# Altium PCB SI944D.PcbDoc (part 1 of 5) (continued)
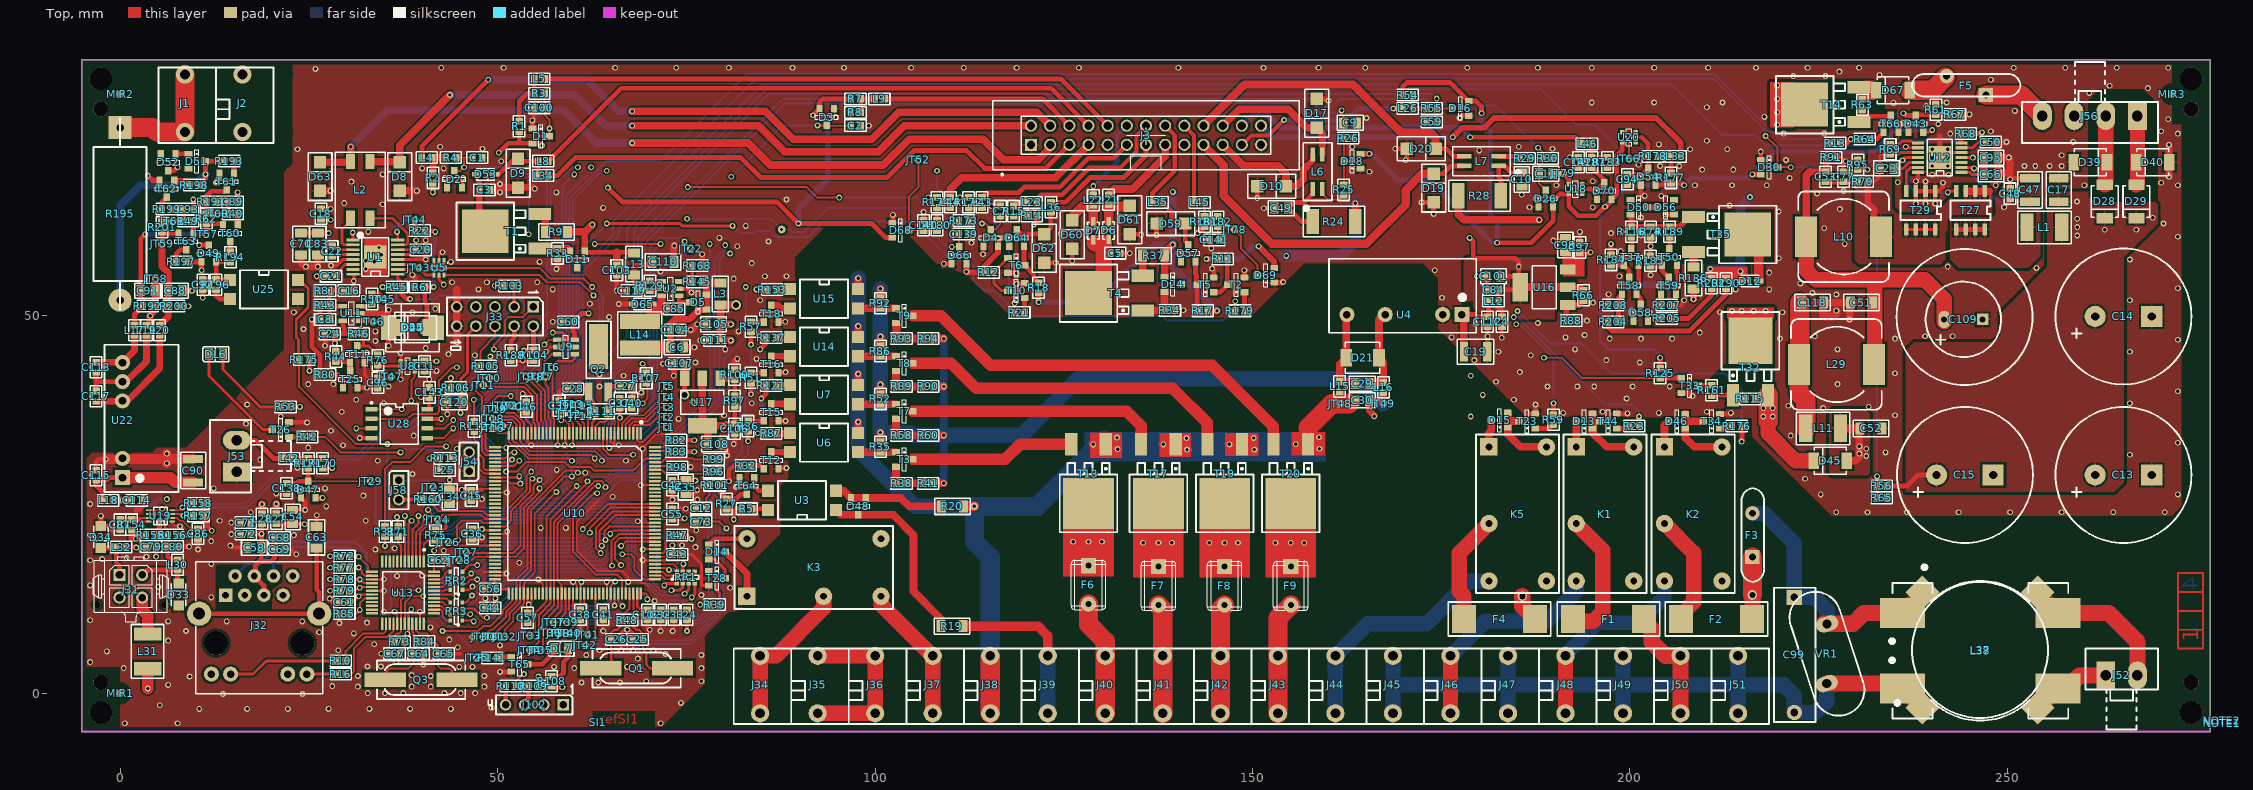
[diagram p0: Top view]
## Components (designator, comment, footprint, x,y, rotation, side; value= is the part's Value field where it differs from the comment) (continued)
C80 "C_0603_NPO_5%_18P-50V" 0603_ReflowSoldering_CAP 6.949,19.431 r0 top
C83 "C_1206_X5R_20%_22U-25V" 1206_ReflowSoldering_CAP 26.194,59.531 r90 top
C84 "C_0603_X7R_10%_100N-50V" 0603_ReflowSoldering_CAP 181.927,53.467 r180 top
C85 "C_0603_X7R_10%_10N-50V" 0603_ReflowSoldering_CAP 73.406,50.927 r0 top
C86 "C_0603_X7R_10%_100N-50V" 0603_ReflowSoldering_CAP 10.319,21.114 r270 top
C87 "C_0603_X7R_10%_100N-50V" 0603_ReflowSoldering_CAP 0,22.352 r270 top
C88 "C_0805_X5R_10%_1U-25V" 0805_ReflowSoldering_CAP 7.302,53.34 r0 top
C89 "C_0603_X7R_10%_4.7N-50V" 0603_ReflowSoldering_CAP 14.922,65.087 r180 top
C90 "C_1210_X5R_10%_10U-35V" 1210_ReflowSoldering_CAP 9.684,29.49 r270 top
C91 "C_0805_X5R_10%_1U-25V" 0805_ReflowSoldering_CAP 3.651,53.34 r180 top
C92 "C_0603_NC" 0603_ReflowSoldering_CAP 10.954,54.134 r90 top
C93 "C_0603_X7R_10%_4.7N-50V" 0603_ReflowSoldering_CAP 9.049,64.135 r0 top
C94 "C_0603_X7R_10%_10N-50V" 0603_ReflowSoldering_CAP 199.644,68.072 r90 top
C95 "C_0805_X5R_10%_1U-25V" 0805_ReflowSoldering_CAP 247.809,70.961 r180 top
C96 "C_0603_NPO_5%_1N-50V" 0603_ReflowSoldering_CAP 34.131,41.116 r90 top
C97 "C_0603_X7R_10%_100N-50V" 0603_ReflowSoldering_CAP 193.357,59.055 r90 top
C98 "C_0805_X5R_10%_1U-25V" 0805_ReflowSoldering_CAP 191.452,59.372 r270 top
C99 "C_X2_GEN_100NF-275Vac_(4KVmax)" CAP_S_5X17.5_E15MM 221.774,5.08 r270 top
C100 "C_0603_X7R_10%_100N-50V" 0603_ReflowSoldering_CAP 55.531,77.565 r180 top
C101 "C_0805_X5R_10%_10U-16V" 0805_ReflowSoldering_CAP 181.927,55.245 r0 top
C102 "C_0603_X7R_10%_10N-50V" 0603_ReflowSoldering_CAP 69.85,10.414 r90 top
C103 "C_0603_X7R_10%_100N-50V" 0603_ReflowSoldering_CAP 65.786,56.043 r270 top
C104 "C_0603_X7R_10%_100N-50V" 0603_ReflowSoldering_CAP 73.533,48.133 r0 top
C105 "C_0805_X5R_10%_10U-16V" 0805_ReflowSoldering_CAP 78.613,48.895 r0 top
C106 "C_0603_X7R_10%_100N-50V" 0603_ReflowSoldering_CAP 81.407,35.052 r270 top
C107 "C_0603_X7R_10%_100N-50V" 0603_ReflowSoldering_CAP 74.041,43.688 r180 top
C108 "C_0805_X5R_10%_1U-25V" 0805_ReflowSoldering_CAP 78.74,33.02 r180 top
C109 "C_ELE_GEN_20%_1000U-25V" CAP_ELE_10X31.5_E5.08MM 244.157,49.53 r180 top locked
C110 "C_1206_X5R_20%_22U-25V" 1206_ReflowSoldering_CAP 71.914,57.15 r180 top
C111 "C_0603_X7R_10%_100N-50V" 0603_ReflowSoldering_CAP 78.74,46.736 r180 top
C112 "C_0603_X7R_10%_100N-50V" 0603_ReflowSoldering_CAP 181.134,49.212 r270 top
C113 "C_0603_X7R_10%_100N-50V" 0603_ReflowSoldering_CAP -3.175,43.18 r270 top
C114 "C_0603_X7R_10%_100N-50V" 0603_ReflowSoldering_CAP 2.222,25.559 r0 top
C115 "C_0603_X7R_10%_100N-50V" 0603_ReflowSoldering_CAP -3.175,28.892 r90 top
C117 "C_0603_X7R_10%_100N-50V" 0603_ReflowSoldering_CAP -3.175,39.37 r270 top
C118 "C_1206_X5R_20%_22U-25V" 1206_ReflowSoldering_CAP 224.155,51.752 r180 top
C119 "C_0603_X7R_10%_100N-50V" 0603_ReflowSoldering_CAP 67.762,53.34 r180 top
C120 "C_0805_X5R_10%_1U-25V" 0805_ReflowSoldering_CAP 44.291,38.576 r0 top
C138 "C_0603_X7R_10%_100N-50V" 0603_ReflowSoldering_CAP 22.066,27.146 r270 top
C139 "C_0603_X7R_10%_100N-50V" 0603_ReflowSoldering_CAP 111.76,60.833 r0 top
C140 "C_0603_X7R_10%_100N-50V" 0603_ReflowSoldering_CAP 106.426,61.976 r90 top
C141 "C_0603_X7R_10%_100N-50V" 0603_ReflowSoldering_CAP 144.907,60.071 r180 top
C142 "C_0603_X7R_10%_10N-50V" 0603_ReflowSoldering_CAP 193.167,70.326 r270 top
C143 "C_0603_X7R_10%_100N-50V" 0603_ReflowSoldering_CAP 40.957,39.846 r90 top
D1 "BAT54S" SOT23_3L_ReflowSoldering 55.721,73.819 r180 top
D2 "BAT54S" SOT23_3L_ReflowSoldering 44.291,68.104 r270 top
D3 "BAT54S" SOT23_3L_ReflowSoldering 93.599,76.327 r90 top
D4 "BAT54S" SOT23_3L_ReflowSoldering 115.316,60.325 r270 top
D5 "BAT54C" SOT23_3L_ReflowSoldering 76.581,51.816 r0 top
D6 "PMEG2020AEA" SOD323_ReflowSoldering 130.937,61.305 r270 top
D7 "PMEG2020AEA" SOD323_ReflowSoldering 128.905,61.27 r270 top
D8 "SMAJ16A" DO214AC-SMA-P_ReflowSoldering 37.02,68.453 r270 top
D9 "SMAJ16A" DO214AC-SMA-P_ReflowSoldering 52.705,68.897 r270 top
D10 "SMAJ16A" DO214AC-SMA-P_ReflowSoldering 152.527,67.183 r180 top
D11 "MMBD1203" SOT23_3L_ReflowSoldering 60.579,57.468 r90 top
D12 "PMEG2020AEA" SOD323_ReflowSoldering 215.9,54.61 r0 top
D13 "BAT54C" SOT23_3L_ReflowSoldering 193.929,36.068 r0 top
D14 "BAT54C" SOT23_3L_ReflowSoldering 79.057,18.732 r180 top
D15 "BAT54C" SOT23_3L_ReflowSoldering 182.721,36.195 r0 top
D16 "BAT54S" SOT23_3L_ReflowSoldering 177.546,77.47 r0 top
D17 "SMAJ16A" DO214AC-SMA-P_ReflowSoldering 158.496,76.835 r90 top
D18 "BAT54S" SOT23_3L_ReflowSoldering 163.195,70.485 r0 top
D19 "SMAJ16A" DO214AC-SMA-P_ReflowSoldering 173.99,66.929 r270 top
D20 "SMAJ16A" DO214AC-SMA-P_ReflowSoldering 172.339,72.136 r180 top
D21 "SMBJ16CA" DO214AA-SMB-NP_ReflowSoldering 164.592,44.45 r180 top
D24 "MMBD1203" SOT23_3L_ReflowSoldering 139.446,54.158 r180 top
D26 "BAT54S" SOT23_3L_ReflowSoldering 188.849,65.532 r270 top
D27 "MBRA140T3G" DO214AC-SMA-P_ReflowSoldering 38.735,48.419 r0 top
D28 "PMEG4050EP" SOD128_ReflowSoldering 262.89,65.151 r270 top
D29 "PMEG4050EP" SOD128_ReflowSoldering 267.081,65.151 r270 top
D30 "BAT54S" SOT23_3L_ReflowSoldering 218.44,69.691 r180 top
D33 "SMF5V0A-GS08" DO219AB-SMF-P_ReflowSoldering 7.747,13.081 r270 top
D34 "SMF5V0A-GS08" DO219AB-SMF-P_ReflowSoldering -2.54,20.701 r90 top
D39 "PMEG4050EP" SOD128_ReflowSoldering 260.985,70.358 r0 top
D40 "PMEG4050EP" SOD128_ReflowSoldering 269.24,70.358 r180 top
D43 "BAT54S" SOT23_3L_ReflowSoldering 237.871,75.438 r270 top
D44 "MBRS360T3G" DO214AB-SMC-P_ReflowSoldering 38.735,48.419 r0 top
D45 "PMEG4050EP" SOD128_ReflowSoldering 226.536,30.797 r180 top
D46 "BAT54C" SOT23_3L_ReflowSoldering 206.216,36.036 r0 top
D47 "BAT54S" SOT23_3L_ReflowSoldering 24.924,26.987 r270 top
D48 "BAT54C" SOT23_3L_ReflowSoldering 97.79,24.765 r90 top
D49 "MMBD1203" SOT23_3L_ReflowSoldering 11.747,58.261 r270 top
D50 "MMBD1203" SOT23_3L_ReflowSoldering 201.168,64.389 r180 top
D51 "BZX84C4V7" SOT23_3L_ReflowSoldering 10.16,70.485 r180 top
D52 "BZX84C4V7" SOT23_3L_ReflowSoldering 6.35,70.326 r90 top
D53 "PMEG2020AEA" SOD323_ReflowSoldering 48.419,68.739 r180 top
D54 "BAT54S" SOT23_3L_ReflowSoldering 202.406,68.421 r270 top
D55 "SS23" DO214AA-SMB-P_ReflowSoldering 38.684,48.457 r0 top
D56 "BAT54C" SOT23_3L_ReflowSoldering 204.724,64.389 r0 top
D57 "BAT54C" SOT23_3L_ReflowSoldering 141.478,58.293 r270 top
D58 "BZX84A6V2" SOT23_3L_ReflowSoldering 201.422,50.419 r270 top
D59 "SMAJ16A" DO214AC-SMA-P_ReflowSoldering 139.192,62.23 r180 top
D60 "SMAJ16A" DO214AC-SMA-P_ReflowSoldering 126.111,60.762 r270 top
D61 "SMAJ16A" DO214AC-SMA-P_ReflowSoldering 133.731,62.702 r270 top
D62 "SMAJ16A" DO214AC-SMA-P_ReflowSoldering 122.428,58.928 r270 top
D63 "SMAJ16A" DO214AC-SMA-P_ReflowSoldering 26.479,68.453 r270 top
D64 "BAT54C" SOT23_3L_ReflowSoldering 118.745,60.325 r270 top
D65 "PMEG2020AEA" SOD323_ReflowSoldering 69.215,51.562 r180 top
D66 "BAT54S" SOT23_3L_ReflowSoldering 111.125,58.039 r270 top
D67 "PMEG4050EP" SOD128_ReflowSoldering 234.839,79.883 r180 top
D68 "BAT54S" SOT23_3L_ReflowSoldering 103.378,61.341 r180 top
D69 "BAT54S" SOT23_3L_ReflowSoldering 151.765,55.372 r0 top
D70 "BAT54S" SOT23_3L_ReflowSoldering 196.596,66.548 r270 top
DL6 "LED_0805_JAUNE_KP2012SYC" LED_0805_KPx_YELLOW 12.7,44.92 r0 top locked
DL7 "LED_0805_VERT_KP2012" LED_0805_KPx_Green 58.42,5.92 r0 top locked
F1 "FUSIBLE_UMT250_0.315A_T" FUSIBLE_UMT250 197.167,9.842 r0 top
F2 "FUSIBLE_UMT250_0.315A_T" FUSIBLE_UMT250 211.455,9.842 r0 top
F3 "FUSIBLE_POLY_240Vac_0.25A_LVR" FUS_POLY_11.4X3.8_H19_E5.8 216.218,20.955 r90 top locked
F4 "FUSIBLE_UMT250_0.315A_T" FUSIBLE_UMT250 182.721,9.842 r0 top
F5 "FUSIBLE_POLY_30V_4A_MF-R400" FUS_POLY_14.4X3_H24.8_E5.08 248.342,80.548 r180 top
F6 "MF-RX012/250" MF-RX012-250-0 128.27,14.351 r270 top (schematic designator TR1)
F7 "MF-RX012/250" MF-RX012-250-0 137.541,14.224 r270 top (schematic designator TR2)
F8 "MF-RX012/250" MF-RX012-250-0 146.304,14.224 r270 top (schematic designator TR3)
F9 "MF-RX012/250" MF-RX012-250-0 155.067,14.224 r270 top (schematic designator TR4)
J1 "BRESS_CI_D_7.62_01_FFKDSA/V2" BRESS_FFKDSA/V2-7,62_P1.3 5.08,72.92 r0 top locked
J2 "BRESS_CI_D_7.62_01_FFKDSA1/V2" BRESS_FFKDSA1/V2-7,62_P1.3 12.7,72.92 r0 top locked
J3 "61202621621" IDC2P54_26P 135.89,73.92 r0 top locked
J31 "MICRO-MATE-N-LOK_WURTH_2X02_D" MICRO-MATE-N-LOK_WURTH+TYCO_2X02_D 1.42,14.18 r180 top locked
J32 "PORT_ETH_10-100-BT_RJ45-8_B_D_LED_TR_74990101210" RJ45_8_B_D_TR_74990101210 18.42,6.65 r0 top locked
J33 "BARRETTE_2.54_M_D_2X05_L6_G" BAR_M_2X05D_L6_IS2.6_E2.54_G 54.737,51.181 r270 top locked
J34 "BRESS_CI_D_7.62_01_FFKDSA/V2" BRESS_FFKDSA/V2-7,62_P1.3 81.28,-4.08 r0 top locked
J35 "BRESS_CI_D_7.62_01_FFKDSA/V2" BRESS_FFKDSA/V2-7,62_P1.3 88.9,-4.08 r0 top locked
J36 "BRESS_CI_D_7.62_01_FFKDSA/V2" BRESS_FFKDSA/V2-7,62_P1.3 96.52,-4.08 r0 top locked
J37 "BRESS_CI_D_7.62_01_FFKDSA/V2" BRESS_FFKDSA/V2-7,62_P1.3 104.14,-4.08 r0 top locked
J38 "BRESS_CI_D_7.62_01_FFKDSA/V2" BRESS_FFKDSA/V2-7,62_P1.3 111.76,-4.08 r0 top locked
J39 "BRESS_CI_D_7.62_01_FFKDSA/V2" BRESS_FFKDSA/V2-7,62_P1.3 119.38,-4.08 r0 top locked
J40 "BRESS_CI_D_7.62_01_FFKDSA/V2" BRESS_FFKDSA/V2-7,62_P1.3 127,-4.08 r0 top locked
J41 "BRESS_CI_D_7.62_01_FFKDSA/V2" BRESS_FFKDSA/V2-7,62_P1.3 134.62,-4.08 r0 top locked
J42 "BRESS_CI_D_7.62_01_FFKDSA/V2" BRESS_FFKDSA/V2-7,62_P1.3 142.24,-4.08 r0 top locked
J43 "BRESS_CI_D_7.62_01_FFKDSA/V2" BRESS_FFKDSA/V2-7,62_P1.3 149.86,-4.08 r0 top locked
J44 "BRESS_CI_D_7.62_01_FFKDSA/V2" BRESS_FFKDSA/V2-7,62_P1.3 157.48,-4.08 r0 top locked
J45 "BRESS_CI_D_7.62_01_FFKDSA/V2" BRESS_FFKDSA/V2-7,62_P1.3 165.1,-4.08 r0 top locked
J46 "BRESS_CI_D_7.62_01_FFKDSA/V2" BRESS_FFKDSA/V2-7,62_P1.3 172.72,-4.08 r0 top locked
J47 "BRESS_CI_D_7.62_01_FFKDSA/V2" BRESS_FFKDSA/V2-7,62_P1.3 180.34,-4.08 r0 top locked
J48 "BRESS_CI_D_7.62_01_FFKDSA/V2" BRESS_FFKDSA/V2-7,62_P1.3 187.96,-4.08 r0 top locked
J49 "BRESS_CI_D_7.62_01_FFKDSA/V2" BRESS_FFKDSA/V2-7,62_P1.3 195.58,-4.08 r0 top locked
J50 "BRESS_CI_D_7.62_01_FFKDSA/V2" BRESS_FFKDSA/V2-7,62_P1.3 203.2,-4.08 r0 top locked
J51 "BRESS_CI_D_7.62_01_FFKDSA1/V2" BRESS_FFKDSA1/V2-7,62_P1.3 210.82,-4.08 r0 top locked
J52 "EMB_4.20_M_D_1X02_Oval_PAD" WR_MPC4_1X02D_OVAL_PAD 265.12,3.22 r90 top locked
J53 "EMB_4.20_M_D_1X02_Oval_PAD" WR_MPC4_1X02D_Oval_Pad 14.62,31.42 r180 top locked
J54 "CAVALIER_EMBASE_2PTS_E2.54" BAR_M_1X02D_L6_IS2.6_E2.54_G 46.22,29.42 r180 top
J56 "EMB_4.20_M_D_1X04_Oval_Pad" WR_MPC4_1X04D_OVAL_PAD 260.92,75.62 r270 top locked
J58 "CAVALIER_EMBASE_2PTS_E2.54" BAR_M_1X02D_L6_IS2.6_E2.54_G 36.92,28.194 r0 top locked
J102 "BARRETTE_2.54_M_D_1X04_L6_G" BAR_M_1X04D_L6_IS2.6_E2.54_G 58.674,-1.524 r270 top locked
JC2 "CAVALIER_2.54_BLEU_DORE_LANGUETTE_14mm" NULL 285.402,-3.15 r90 top
JT1 "POINT_TEST_PAD_40MIL" PAD_CL5_E40X40Y17D#1 72.39,35.242 r0 top
JT2 "POINT_TEST_PAD_40MIL" PAD_CL5_E40X40Y17D#1 72.39,36.576 r0 top
JT3 "POINT_TEST_PAD_40MIL" PAD_CL5_E40X40Y17D#1 72.39,37.897 r0 top
JT4 "POINT_TEST_PAD_40MIL" PAD_CL5_E40X40Y17D#1 72.39,39.243 r0 top
JT5 "POINT_TEST_PAD_40MIL" PAD_CL5_E40X40Y17D#1 72.39,40.64 r0 top
JT6 "POINT_TEST_PAD_40MIL" PAD_CL5_E40X40Y17D#1 57.15,43.18 r0 top
JT7 "POINT_TEST_PAD_40MIL" PAD_CL5_E40X40Y17D#1 56.356,41.91 r0 top
JT8 "POINT_TEST_PAD_40MIL" PAD_CL5_E40X40Y17D#1 55.086,41.91 r0 top
JT9 "POINT_TEST_PAD_40MIL" PAD_CL5_E40X40Y17D#1 53.816,41.91 r0 top
JT10 "POINT_TEST_PAD_40MIL" PAD_CL5_E40X40Y17D#1 48.895,41.751 r0 top
JT11 "POINT_TEST_PAD_40MIL" PAD_CL5_E40X40Y17D#1 48.101,40.799 r270 top
JT12 "POINT_TEST_PAD_40MIL" PAD_CL5_E40X40Y17D#1 59.531,36.989 r270 top
JT13 "POINT_TEST_PAD_40MIL" PAD_CL5_E40X40Y17D#1 59.849,38.259 r0 top
JT14 "POINT_TEST_PAD_40MIL" PAD_CL5_E40X40Y17D#1 61.151,36.703 r0 top
JT15 "POINT_TEST_PAD_40MIL" PAD_CL5_E40X40Y17D#1 61.119,38.1 r0 top
JT16 "POINT_TEST_PAD_40MIL" PAD_CL5_E40X40Y17D#1 49.371,35.084 r0 top
JT17 "POINT_TEST_PAD_40MIL" PAD_CL5_E40X40Y17D#1 50.641,35.401 r0 top
JT18 "POINT_TEST_PAD_40MIL" PAD_CL5_E40X40Y17D#1 49.371,36.354 r0 top
JT19 "POINT_TEST_PAD_40MIL" PAD_CL5_E40X40Y17D#1 49.689,37.624 r0 top
JT20 "POINT_TEST_PAD_40MIL" PAD_CL5_E40X40Y17D#1 50.8,38.1 r0 top
JT21 "POINT_TEST_PAD_40MIL" PAD_CL5_E40X40Y17D#1 52.07,38.1 r0 top
JT22 "POINT_TEST_PAD_40MIL" PAD_CL5_E40X40Y17D#1 75.565,58.896 r0 top
JT23 "POINT_TEST_PAD_40MIL" PAD_CL5_E40X40Y17D#1 41.469,27.305 r0 top
JT24 "POINT_TEST_PAD_40MIL" PAD_CL5_E40X40Y17D#1 42.069,23.019 r0 top
JT25 "POINT_TEST_PAD_40MIL" PAD_CL5_E40X40Y17D#1 47.244,4.699 r90 top
JT26 "POINT_TEST_PAD_40MIL" PAD_CL5_E40X40Y17D#1 43.497,20.002 r0 top
JT27 "POINT_TEST_PAD_40MIL" PAD_CL5_E40X40Y17D#1 45.847,18.669 r0 top
JT28 "POINT_TEST_PAD_40MIL" PAD_CL5_E40X40Y17D#1 44.926,17.621 r0 top
JT29 "POINT_TEST_PAD_40MIL" PAD_CL5_E40X40Y17D#2 33.179,28.099 r90 top
JT30 "POINT_TEST_PAD_40MIL" PAD_CL5_E40X40Y17D#1 48.101,7.461 r0 top
JT31 "POINT_TEST_PAD_40MIL" PAD_CL5_E40X40Y17D#1 49.498,7.461 r0 top
JT32 "POINT_TEST_PAD_40MIL" PAD_CL5_E40X40Y17D#1 50.959,7.461 r0 top
JT33 "POINT_TEST_PAD_40MIL" PAD_CL5_E40X40Y17D#1 54.292,7.62 r270 top
JT34 "POINT_TEST_PAD_40MIL" PAD_CL5_E40X40Y17D#1 54.292,5.715 r270 top
JT35 "POINT_TEST_PAD_40MIL" PAD_CL5_E40X40Y17D#1 55.721,5.715 r270 top
JT36 "POINT_TEST_PAD_40MIL" PAD_CL5_E40X40Y17D#1 56.896,8.001 r270 top
JT37 "POINT_TEST_PAD_40MIL" PAD_CL5_E40X40Y17D#1 57.404,9.398 r270 top
JT38 "POINT_TEST_PAD_40MIL" PAD_CL5_E40X40Y17D#1 58.102,7.938 r270 top
JT39 "POINT_TEST_PAD_40MIL" PAD_CL5_E40X40Y17D#1 59.182,9.398 r270 top
JT40 "POINT_TEST_PAD_40MIL" PAD_CL5_E40X40Y17D#1 59.531,7.938 r270 top
JT41 "POINT_TEST_PAD_40MIL" PAD_CL5_E40X40Y17D#1 61.912,7.779 r270 top
JT42 "POINT_TEST_PAD_40MIL" PAD_CL5_E40X40Y17D#1 61.595,6.35 r270 top
JT43 "POINT_TEST_PAD_40MIL" PAD_CL5_E40X40Y17D#1 39.529,56.356 r90 top
JT44 "POINT_TEST_PAD_40MIL" PAD_CL5_E40X40Y17D#1 39.052,62.706 r90 top
JT45 "POINT_TEST_PAD_40MIL" PAD_CL5_E40X40Y17D#1 34.925,52.229 r90 top locked
JT46 "POINT_TEST_PAD_40MIL" PAD_CL5_E40X40Y17D#1 33.496,49.212 r90 top
JT47 "POINT_TEST_PAD_40MIL" PAD_CL5_E40X40Y17D#1 35.877,41.91 r90 top
JT48 "POINT_TEST_PAD_40MIL" PAD_CL5_E40X40Y17D#1 161.607,38.354 r90 top
JT49 "POINT_TEST_PAD_40MIL" PAD_CL5_E40X40Y17D#1 167.322,38.354 r90 top
JT52 "POINT_TEST_PAD_40MIL" PAD_CL5_E40X40Y17D#2 105.727,70.644 r90 top locked
JT53 "POINT_TEST_PAD_40MIL" PAD_CL5_E40X40Y17D#2 87.63,61.436 r90 bottom
JT57 "POINT_TEST_PAD_40MIL" PAD_CL5_E40X40Y17D#1 11.43,60.801 r0 top
JT58 "POINT_TEST_PAD_40MIL" PAD_CL5_E40X40Y17D#1 4.699,54.927 r0 top
JT59 "POINT_TEST_PAD_40MIL" PAD_CL5_E40X40Y17D#1 5.556,59.531 r0 top
JT60 "POINT_TEST_PAD_40MIL" PAD_CL5_E40X40Y17D#1 12.859,63.5 r270 top
JT61 "POINT_TEST_PAD_40MIL" PAD_CL5_E40X40Y17D#1 6.985,62.547 r90 top
JT66 "POINT_TEST_PAD_40MIL" PAD_CL5_E40X40Y17D#1 199.866,70.802 r0 top
JT78 "POINT_TEST_PAD_40MIL" PAD_CL5_E40X40Y17D#2 147.637,61.436 r270 top
JT79 "POINT_TEST_PAD_40MIL" PAD_CL5_E40X40Y17D#2 191.135,68.897 r90 top
K1 "RELAY_12VDC_1RT_32.21" RELAY_FINDER_32.21 196.683,22.479 r0 top locked
K2 "RELAY_12VDC_1RT_32.21" RELAY_FINDER_32.21 208.375,22.479 r0 top locked
K3 "RELAY_12VDC_1RT_32.21" RELAY_FINDER_32.21 93.186,16.669 r90 top locked
K5 "RELAY_12VDC_1RT_32.21" RELAY_FINDER_32.21 185.118,22.479 r0 top locked
L1 "IND_FERRITE_1812_74279226101" 1812_ReflowSoldering_SELF 254.889,61.722 r180 top
L2 "IND_FERRITE_WE-SL2_2X10UH" SELF_WE-SL2_9.2x6 31.813,66.675 r90 top
L3 "IND_FERRITE_1206_74279218" 1206_ReflowSoldering_FERRITE 79.502,52.906 r270 top
L4 "IND_FERRITE_0603_742792643" 0603_ReflowSoldering_CAP 40.64,70.961 r0 top
L5 "IND_FERRITE_0603_742792643" 0603_ReflowSoldering_CAP 55.531,81.375 r180 top
L6 "IND_FERRITE_WE-SLM_2X22UH" SELF_WE-SLM_6x3.3H3.3mm 158.623,69.088 r90 top
L7 "IND_FERRITE_WE-SLM_2X22UH" SELF_WE-SLM_6x3.3H3.3mm 180.34,70.485 r180 top
L8 "IND_FERRITE_0603_742792643" 0603_ReflowSoldering_CAP 56.039,70.485 r0 top
L9 "IND_FERRITE_0603_742792643" 0603_ReflowSoldering_CAP 100.584,78.74 r180 top
L10 "SELF_15UH_6.5A_7447709150" SELF_WEPD_12X12_h10_XXL 228.282,60.484 r180 top
L11 "IND_FERRITE_1812_74279226101" 1812_ReflowSoldering_SELF 225.584,35.084 r0 top
L12 "IND_FERRITE_0603_742792643" 0603_ReflowSoldering_CAP 181.927,51.943 r180 top
L13 "IND_FERRITE_1206_74279218" 1206_ReflowSoldering_FERRITE 68.072,56.843 r270 top
L14 "SELF_10UH_1.19A_744043100" SELF_WE-TPC_4.8x4.78_(type4828) 68.834,47.498 r270 top
L15 "IND_FERRITE_0603_742792643" 0603_ReflowSoldering_CAP 161.544,40.64 r270 top
L16 "IND_FERRITE_0603_742792643" 0603_ReflowSoldering_CAP 167.322,40.513 r270 top
L17 "IND_FERRITE_0603_742792643" 0603_ReflowSoldering_CAP 1.905,48.101 r90 top
L18 "IND_FERRITE_0603_742792643" 0603_ReflowSoldering_CAP -1.587,25.559 r180 top
L19 "IND_FERRITE_0603_742792643" 0603_ReflowSoldering_CAP 3.492,48.101 r90 top
L20 "IND_FERRITE_0603_742792643" 0603_ReflowSoldering_CAP 5.239,48.101 r90 top
L21 "IND_FERRITE_0603_742792643" 0603_ReflowSoldering_CAP 130.937,65.369 r90 top
L22 "IND_FERRITE_0603_742792643" 0603_ReflowSoldering_CAP 128.905,65.334 r90 top
L23 "IND_FERRITE_0603_742792643" 0603_ReflowSoldering_CAP 120.777,65.024 r180 top
L24 "IND_FERRITE_0603_742792643" 0603_ReflowSoldering_CAP 75.089,10.414 r90 top
L25 "IND_FERRITE_0603_742792643" 0603_ReflowSoldering_CAP 43.021,29.527 r0 top
L26 "IND_FERRITE_0603_742792643" 0603_ReflowSoldering_CAP 170.561,77.47 r0 top
L27 "IND_FERRITE_0603_742792643" 0603_ReflowSoldering_CAP 20.701,23.114 r270 top
L28 "IND_FERRITE_0603_742792643" 0603_ReflowSoldering_CAP 18.796,23.114 r270 top
L29 "SELF_15UH_6.5A_7447709150" SELF_WEPD_12X12_h10_XXL 227.346,43.561 r180 top
L30 "IND_FERRITE_0603_742792643" 0603_ReflowSoldering_CAP 7.62,17.018 r270 top
L31 "IND_FERRITE_1812_74279226101" 1812_ReflowSoldering_SELF 3.651,5.556 r270 top
L32 "IND_FERRITE_0603_742792643" 0603_ReflowSoldering_CAP 0.159,19.367 r180 top
L33 "IND_FERRITE_0603_742792643" 0603_ReflowSoldering_CAP 206.057,71.12 r180 top
L34 "IND_FERRITE_0603_742792643" 0603_ReflowSoldering_CAP 56.039,68.58 r0 top
L35 "IND_FERRITE_0603_742792643" 0603_ReflowSoldering_CAP 137.414,65.024 r180 top
L36 "IND_FERRITE_0603_742792643" 0603_ReflowSoldering_CAP 123.317,64.389 r90 top
L37 "IND_FERRITE_PM3700_80_RC_2X20mH" SELF_PM3700_17.78X11.43H11.43 246.367,5.728 r315 top locked
L38 "IND_FERRITE_WE_LF_SH_7446631010_2X10mH" SELF_WE-LF_SH_18.5X23.3H11.5MM 246.399,5.636 r0 top locked
L42 "IND_FERRITE_0603_742792643" 0603_ReflowSoldering_CAP 22.384,31.115 r0 top
L43 "IND_FERRITE_0603_742792643" 0603_ReflowSoldering_CAP 114.173,65.024 r270 top
L44 "IND_FERRITE_0603_742792643" 0603_ReflowSoldering_CAP 109.982,65.024 r270 top
L45 "IND_FERRITE_0603_742792643" 0603_ReflowSoldering_CAP 143.002,65.024 r0 top
L46 "IND_FERRITE_0603_742792643" 0603_ReflowSoldering_CAP 194.31,72.771 r0 top
MIR1 "MIRE_PICK-N-PLACE" MIRE_PICK-N-PLACE_D1MM_VE3MM 0,0 r0 top
MIR2 "MIRE_PICK-N-PLACE" MIRE_PICK-N-PLACE_D1MM_VE3MM 0,79.375 r0 top
MIR3 "MIRE_PICK-N-PLACE" MIRE_PICK-N-PLACE_D1MM_VE3MM 271.78,79.375 r0 top
NOTE1 "NOTE_POUR_NOMENCLATURE_COMP" NULL 278.417,-3.975 r90 top
NOTE2 "NOTE_POUR_NOMENCLATURE_COMP" NULL 278.417,-3.658 r90 top
NOTE3 "NOTE_POUR_NOMENCLATURE_COMP" NULL 288.894,-3.658 r90 top
Q1 "QUARTZ_HC49/4HSMX_25M" QUARTZ_HC49_11.5X5_CMS 68.421,3.334 r0 top
Q2 "QUARTZ_2X6MM_CMS_32.768KHZ" QUARTZ_2X6MM_CYL_CMS 63.373,42.926 r270 top
Q3 "QUARTZ_HC49/4HSMX_25M" QUARTZ_HC49_11.5X5_CMS 39.878,1.81 r0 top
R1 "RES_0603_1%_100PPM_2.2K" 0603_ReflowSoldering_RES 52.864,75.089 r90 top
R2 "RES_0603_1%_100PPM_2.2K" 0603_ReflowSoldering_RES 41.434,68.263 r90 top
R3 "RES_0603_1%_100PPM_4.7K" 0603_ReflowSoldering_RES 55.531,79.47 r0 top
R4 "RES_0603_1%_100PPM_4.7K" 0603_ReflowSoldering_RES 43.815,70.961 r0 top
R5 "RES_0603_1%_100PPM_1K" 0603_ReflowSoldering_RES 83.026,24.447 r180 top
R6 "RES_0603_1%_100PPM_115R" 0603_ReflowSoldering_RES 39.688,53.816 r0 top
R7 "RES_0603_1%_100PPM_2.2K" 0603_ReflowSoldering_RES 97.409,78.74 r0 top
R8 "RES_0603_1%_100PPM_4.7K" 0603_ReflowSoldering_RES 97.409,76.962 r180 top
R9 "RES_1206_1%_200PPM_3.3R" 1206_ReflowSoldering_RES 57.785,61.119 r180 top
R10 "RES_0603_1%_100PPM_680R" 0603_ReflowSoldering_RES 29.21,4.286 r180 top
R11 "RES_0603_1%_100PPM_4.7K" 0603_ReflowSoldering_RES 146.05,57.531 r180 top
R12 "RES_0603_1%_100PPM_4.7K" 0603_ReflowSoldering_RES 115.062,55.753 r180 top
R13 "RES_0603_1%_100PPM_4.7K" 0603_ReflowSoldering_RES 227.171,72.866 r180 top
R14 "RES_0603_1%_100PPM_2.2K" 0603_ReflowSoldering_RES 120.777,63.246 r180 top
R15 "RES_0603_1%_100PPM_4.7K" 0603_ReflowSoldering_RES 118.364,63.881 r270 top
R16 "RES_0603_1%_100PPM_680R" 0603_ReflowSoldering_RES 29.21,2.54 r180 top
R17 "RES_0603_1%_100PPM_4.7K" 0603_ReflowSoldering_RES 143.383,50.673 r0 top
R18 "RES_0603_1%_100PPM_10K" 0603_ReflowSoldering_RES 121.666,53.721 r270 top
R19 "RES_1206_1%_100PPM_220K" 1206_ReflowSoldering_RES 110.172,8.89 r180 top
R20 "RES_1206_1%_100PPM_220K" 1206_ReflowSoldering_RES 110.236,24.765 r180 top
R21 "RES_0603_1%_100PPM_4.7K" 0603_ReflowSoldering_RES 119.126,50.419 r0 top
R22 "RES_0603_1%_100PPM_0R" 0603_ReflowSoldering_RES 39.688,61.277 r180 top
R23 "RES_0603_1%_100PPM_4.7K" 0603_ReflowSoldering_RES 200.565,35.401 r180 top
R24 "RES_2512_5%_200PPM_200R_500V" 2512_ReflowSoldering_RES 160.782,62.484 r180 top
R25 "RES_0603_1%_100PPM_150R" 0603_ReflowSoldering_RES 162.052,66.675 r270 top
R26 "RES_0603_1%_100PPM_150R" 0603_ReflowSoldering_RES 162.687,73.533 r180 top
R27 "RES_0603_1%_100PPM_680R" 0603_ReflowSoldering_RES 80.328,25.082 r270 top
R28 "RES_2512_5%_200PPM_200R_500V" 2512_ReflowSoldering_RES 180.086,65.913 r0 top
R29 "RES_0603_1%_100PPM_150R" 0603_ReflowSoldering_RES 186.055,70.866 r180 top
R30 "RES_0603_1%_100PPM_150R" 0603_ReflowSoldering_RES 189.103,70.866 r180 top
R31 "RES_0603_1%_100PPM_51R" 0603_ReflowSoldering_RES 35.084,21.431 r270 top
R32 "RES_0603_1%_100PPM_4.7K" 0603_ReflowSoldering_RES 82.867,30.162 r0 top
R33 "RES_0603_1%_100PPM_2.2K" 0603_ReflowSoldering_RES 57.944,58.261 r90 top
R34 "RES_0603_1%_100PPM_2.2K" 0603_ReflowSoldering_RES 139.065,50.729 r180 top
R35 "RES_0603_1%_100PPM_10K" 0603_ReflowSoldering_RES 100.711,32.639 r90 top
R36 "RES_0603_1%_100PPM_4.7K" 0603_ReflowSoldering_RES 83.185,35.401 r90 top
R37 "RES SMD 2.2 OHM 1% 1/4W 1206" 1206_ReflowSoldering_RES 136.906,57.968 r180 top
R38 "RES_0603_1%_100PPM_1K" 0603_ReflowSoldering_RES 103.505,27.813 r180 top
R39 "RES_0603_1%_100PPM_4.7K" 0603_ReflowSoldering_RES 78.74,11.747 r0 top
R40 "RES_0603_1%_100PPM_2.2K" 0603_ReflowSoldering_RES 14.922,63.5 r0 top
R41 "RES_0603_1%_100PPM_1K" 0603_ReflowSoldering_RES 107.061,27.813 r180 top
R42 "RES_0603_1%_100PPM_10K" 0603_ReflowSoldering_RES 24.765,33.972 r180 top
R43 "RES_0603_1%_100PPM_33K" 0603_ReflowSoldering_RES 27.146,51.435 r180 top
R44 "RES_0603_1%_100PPM_1K" 0603_ReflowSoldering_RES 28.575,44.609 r90 top
R45 "RES_0603_1%_100PPM_10K" 0603_ReflowSoldering_RES 36.671,53.816 r180 top
R46 "RES_0603_1%_100PPM_7.5K" 0603_ReflowSoldering_RES 31.591,47.625 r180 top
R47 "RES_0603_1%_100PPM_22R" 0603_ReflowSoldering_RES 73.819,20.955 r0 top
R48 "RES_0603_1%_100PPM_1M" 0603_ReflowSoldering_RES 67.151,9.684 r0 top
R49 "RES_0603_1%_100PPM_2.2K" 0603_ReflowSoldering_RES 9.049,62.547 r0 top
R50 "RES_0603_1%_100PPM_10K" 0603_ReflowSoldering_RES 33.337,52.229 r270 top
R51 "RES_0603_1%_100PPM_4.7K" 0603_ReflowSoldering_RES 83.566,41.783 r90 top
R52 "RES_0603_1%_100PPM_10K" 0603_ReflowSoldering_RES 100.711,38.989 r90 top
R53 "RES_0603_1%_100PPM_680R" 0603_ReflowSoldering_RES 21.907,37.941 r0 top
R54 "RES_0603_1%_100PPM_2.2K" 0603_ReflowSoldering_RES 170.561,79.248 r0 top
R55 "RES_0603_1%_100PPM_4.7K" 0603_ReflowSoldering_RES 173.736,77.47 r0 top
R56 "RES_0603_1%_100PPM_68K" 0603_ReflowSoldering_RES 233.362,27.464 r0 top
R57 "RES_0603_1%_100PPM_4.7K" 0603_ReflowSoldering_RES 83.566,48.55 r90 top
R58 "RES_0603_1%_100PPM_1K" 0603_ReflowSoldering_RES 103.505,34.163 r180 top
R59 "RES_0603_1%_100PPM_4.7K" 0603_ReflowSoldering_RES 189.849,36.231 r270 top
R60 "RES_0603_1%_100PPM_1K" 0603_ReflowSoldering_RES 107.061,34.163 r180 top
R61 "RES_0603_1%_100PPM_68K" 0603_ReflowSoldering_RES 240.506,77.311 r90 top
R62 "RES_0603_1%_100PPM_47K" 0603_ReflowSoldering_RES 11.43,62.865 r270 top
R63 "RES_0603_1%_100PPM_47K" 0603_ReflowSoldering_RES 230.775,77.978 r90 top
R64 "RES_0603_1%_100PPM_47K" 0603_ReflowSoldering_RES 231.104,73.406 r0 top
R65 "RES_0603_1%_100PPM_9.1K" 0603_ReflowSoldering_RES 233.362,25.876 r180 top
R66 "RES_0603_1%_100PPM_115R" 0603_ReflowSoldering_RES 193.834,52.705 r90 top
R67 "RES_0603_1%_100PPM_9.1K" 0603_ReflowSoldering_RES 243.046,76.676 r180 top
R68 "RES_0603_1%_100PPM_604K" 0603_ReflowSoldering_RES 244.475,74.144 r180 top
R69 "RES_0603_1%_100PPM_1.15K" 0603_ReflowSoldering_RES 234.474,72.072 r270 top
R70 "RES_0603_1%_100PPM_2.49M" 0603_ReflowSoldering_RES 230.822,67.786 r180 top
R71 "RES_0603_1%_100PPM_4.7K" 0603_ReflowSoldering_RES 36.83,21.431 r90 top
R72 "RES_0603_1%_100PPM_51R" 0603_ReflowSoldering_RES 29.718,18.161 r180 top
R73 "RES_0603_1%_100PPM_1.5K" 0603_ReflowSoldering_RES 37.024,6.826 r0 top
R74 "RES_0603_1%_100PPM_4.7K" 0603_ReflowSoldering_RES 202.724,61.119 r270 top
R75 "RES_0603_1%_100PPM_22R" 0603_ReflowSoldering_RES 41.783,20.955 r270 top
R76 "RES_0603_1%_100PPM_51R" 0603_ReflowSoldering_RES 34.131,44.133 r270 top
R77 "RES_0603_1%_100PPM_51R" 0603_ReflowSoldering_RES 29.718,16.637 r180 top
R78 "RES_0603_1%_100PPM_51R" 0603_ReflowSoldering_RES 29.718,15.113 r180 top
R79 "RES_0603_1%_100PPM_51R" 0603_ReflowSoldering_RES 29.718,13.589 r180 top
R80 "RES_0603_1%_100PPM_1K" 0603_ReflowSoldering_RES 27.146,42.227 r0 top
R81 "RES_0603_1%_100PPM_10K" 0603_ReflowSoldering_RES 27.146,53.34 r0 top
R82 "RES_0603_1%_100PPM_10K" 0603_ReflowSoldering_RES 73.66,33.528 r0 top
R83 "RES_0603_1%_100PPM_10K" 0603_ReflowSoldering_RES 73.66,32.004 r0 top
R84 "RES_0603_1%_100PPM_1M" 0603_ReflowSoldering_RES 40.271,6.842 r0 top
R85 "RES_0603_1%_100PPM_4.87K" 0603_ReflowSoldering_RES 29.718,10.541 r0 top
R86 "RES_0603_1%_100PPM_10K" 0603_ReflowSoldering_RES 100.711,45.339 r90 top
R87 "RES_0603_1%_100PPM_680R" 0603_ReflowSoldering_RES 86.233,34.417 r0 top
R88 "RES_0603_1%_100PPM_1K" 0603_ReflowSoldering_RES 192.214,49.371 r180 top
R89 "RES_0603_1%_100PPM_1K" 0603_ReflowSoldering_RES 103.505,40.64 r180 top
R90 "RES_0603_1%_100PPM_1K" 0603_ReflowSoldering_RES 107.061,40.64 r180 top
R91 "RES_0603_1%_100PPM_237K" 0603_ReflowSoldering_RES 226.659,70.993 r180 top
R92 "RES_0603_1%_100PPM_10K" 0603_ReflowSoldering_RES 100.711,51.689 r90 top
R93 "RES_0603_1%_100PPM_1K" 0603_ReflowSoldering_RES 103.505,46.99 r180 top
R94 "RES_0603_1%_100PPM_1K" 0603_ReflowSoldering_RES 107.061,46.99 r180 top
R95 "RES_0603_1%_100PPM_9.76K" 0603_ReflowSoldering_RES 230.188,70.009 r90 top
R96 "RES_0603_1%_100PPM_10K" 0603_ReflowSoldering_RES 78.613,29.337 r0 top
R97 "RES_0603_1%_100PPM_1K" 0603_ReflowSoldering_RES 81.407,38.735 r270 top
R98 "RES_0603_1%_100PPM_10K" 0603_ReflowSoldering_RES 73.787,29.972 r0 top
R99 "RES_0603_1%_100PPM_10K" 0603_ReflowSoldering_RES 78.613,30.988 r0 top
R100 "RES_0603_1%_100PPM_1.69K" 0603_ReflowSoldering_RES 81.407,42.205 r270 top
R101 "RES_0603_1%_100PPM_4.7K" 0603_ReflowSoldering_RES 78.74,27.559 r180 top
R103 "RES_0603_1%_100PPM_10K" 0603_ReflowSoldering_RES 51.523,53.975 r180 top
R104 "RES_0603_1%_100PPM_10K" 0603_ReflowSoldering_RES 54.769,44.767 r270 top
R105 "RES_0603_1%_100PPM_10K" 0603_ReflowSoldering_RES 48.419,43.339 r0 top
R106 "RES_0603_1%_100PPM_10K" 0603_ReflowSoldering_RES 44.45,40.481 r180 top
R107 "RES_0603_1%_100PPM_10K" 0603_ReflowSoldering_RES 69.691,41.751 r90 top
R108 "RES_0603_1%_100PPM_680R" 0603_ReflowSoldering_RES 57.15,1.587 r270 top
R109 "RES_0603_1%_100PPM_68R" 0603_ReflowSoldering_RES 54.769,0.953 r180 top
R110 "RES_0603_1%_100PPM_68R" 0603_ReflowSoldering_RES 51.752,0.953 r180 top
R111 "RES_0805_5%_300PPM_18M" 0805_ReflowSoldering_RES 63.754,37.338 r0 top
R112 "RES_0603_1%_100PPM_22R" 0603_ReflowSoldering_RES 46.899,35.342 r270 top
R113 "RES_0603_1%_100PPM_10K" 0603_ReflowSoldering_RES 43.021,31.115 r180 top
R115 "RES_0603_1%_100PPM_10K" 0603_ReflowSoldering_RES 215.936,38.989 r0 top
R116 "RES_0603_1%_100PPM_47K" 0603_ReflowSoldering_RES 200.184,61.119 r90 top
R121 "RES_0603_1%_100PPM_680R" 0603_ReflowSoldering_RES 86.233,40.767 r0 top
R125 "RES_0603_1%_100PPM_47K" 0603_ReflowSoldering_RES 203.994,42.386 r90 top
R129 "RES_0603_1%_100PPM_10K" 0603_ReflowSoldering_RES 70.175,53.975 r270 top
R137 "RES_0603_1%_100PPM_680R" 0603_ReflowSoldering_RES 86.233,47.117 r0 top
R141 "RES_0603_1%_100PPM_10K" 0603_ReflowSoldering_RES 49.312,4.699 r0 top
R145 "RES_0603_1%_100PPM_47K" 0603_ReflowSoldering_RES 76.454,54.483 r0 top
R153 "RES_0603_1%_100PPM_680R" 0603_ReflowSoldering_RES 86.36,53.467 r0 top
R154 "RES_0603_1%_100PPM_200K" 0603_ReflowSoldering_RES 1.524,22.352 r270 top
R155 "RES_0603_1%_100PPM_1K" 0603_ReflowSoldering_RES 4.064,20.955 r180 top
R156 "RES_0603_1%_100PPM_1K" 0603_ReflowSoldering_RES 6.985,20.955 r0 top
R157 "RES_0603_1%_100PPM_4.7K" 0603_ReflowSoldering_RES 10.378,23.495 r0 top
R158 "RES_0603_1%_100PPM_4.7K" 0603_ReflowSoldering_RES 10.378,25.146 r0 top
R160 "RES_0603_1%_100PPM_1K" 0603_ReflowSoldering_RES 40.799,25.717 r0 top
R161 "RES_0603_1%_100PPM_1K" 0603_ReflowSoldering_RES 210.82,40.132 r270 top
R168 "RES_0603_1%_100PPM_9.1K" 0603_ReflowSoldering_RES 76.454,56.642 r180 top
R170 "RES_0603_1%_100PPM_2.2K" 0603_ReflowSoldering_RES 26.829,30.48 r90 top
R171 "RES_0603_1%_100PPM_4.7K" 0603_ReflowSoldering_RES 24.924,30.48 r270 top
R172 "RES_0603_1%_100PPM_2.2K" 0603_ReflowSoldering_RES 112.395,65.024 r270 top
R173 "RES_0603_1%_100PPM_4.7K" 0603_ReflowSoldering_RES 111.76,62.611 r180 top
R174 "RES_0603_1%_100PPM_2.2K" 0603_ReflowSoldering_RES 108.204,65.024 r270 top
R175 "RES_0603_1%_100PPM_1K" 0603_ReflowSoldering_RES 24.384,44.196 r0 top
R176 "RES_0603_1%_100PPM_4.7K" 0603_ReflowSoldering_RES 214.154,35.401 r180 top
R177 "RES_0603_1%_100PPM_2.2K" 0603_ReflowSoldering_RES 205.422,68.263 r90 top
R178 "RES_0603_1%_100PPM_4.7K" 0603_ReflowSoldering_RES 203.041,71.12 r180 top
R179 "RES_0603_1%_100PPM_4.7K" 0603_ReflowSoldering_RES 148.336,50.673 r0 top
R180 "RES_0603_1%_100PPM_4.7K" 0603_ReflowSoldering_RES 108.204,61.976 r270 top
R181 "RES_0603_1%_100PPM_2.2K" 0603_ReflowSoldering_RES 143.637,62.484 r90 top
R182 "RES_0603_1%_100PPM_4.7K" 0603_ReflowSoldering_RES 145.415,62.484 r270 top
R183 "RES_0603_1%_100PPM_2.2K" 0603_ReflowSoldering_RES 197.009,70.326 r90 top
R184 "RES_0603_1%_100PPM_100K" 0603_ReflowSoldering_RES 197.485,57.404 r90 top
R185 "RES_0603_1%_100PPM_100K" 0603_ReflowSoldering_RES 202.692,57.277 r90 top
R186 "RES_1206_1%_100PPM_2.7R" 1206_ReflowSoldering_RES 208.407,54.991 r270 top
R187 "RES_0603_1%_100PPM_4.7K" 0603_ReflowSoldering_RES 194.945,70.326 r270 top
R188 "RES_0603_1%_100PPM_10K" 0603_ReflowSoldering_RES 51.752,44.767 r270 top
R189 "RES_0603_1%_100PPM_12K" 0603_ReflowSoldering_RES 205.264,61.119 r90 top
R190 "RES_0603_1%_100PPM_68K" 0603_ReflowSoldering_RES 212.725,54.292 r90 top
R191 "RES_0603_1%_100PPM_51R" 0603_ReflowSoldering_RES 12.065,65.087 r0 top
R192 "RES_0603_1%_100PPM_10K" 0603_ReflowSoldering_RES 3.651,51.276 r180 top
R193 "RES_0603_1%_100PPM_1K" 0603_ReflowSoldering_RES 14.446,70.485 r0 top
R194 "RES_0603_1%_100PPM_4.7K" 0603_ReflowSoldering_RES 14.605,57.785 r90 top
R195 "RES_MOS3_5%_300PPM_22K_700V" RES_MOS3 0,63.5 r270 top
R196 "RES_0603_NC" 0603_ReflowSoldering_RES 12.7,54.134 r90 top
R197 "RES_0603_1%_100PPM_4.7K" 0603_ReflowSoldering_RES 8.096,57.15 r0 top
R198 "RES_0603_1%_100PPM_1K" 0603_ReflowSoldering_RES 9.842,67.31 r180 top
R199 "RES_0603_1%_100PPM_51R" 0603_ReflowSoldering_RES 6.191,64.135 r180 top
R200 "RES_0603_1%_100PPM_10K" 0603_ReflowSoldering_RES 7.144,51.276 r0 top
R201 "RES_0603_1%_100PPM_47K" 0603_ReflowSoldering_RES 5.556,61.754 r90 top
R202 "RES_0603_1%_100PPM_56K" 0603_ReflowSoldering_RES 210.82,54.292 r90 top
R204 "RES_0603_1%_100PPM_0R" 0603_ReflowSoldering_RES 197.802,49.212 r180 top
R205 "RES_0603_1%_100PPM_4.7K" 0603_ReflowSoldering_RES 204.851,49.657 r0 top